# KiCad board paws-60-pcb.kicad_pcb
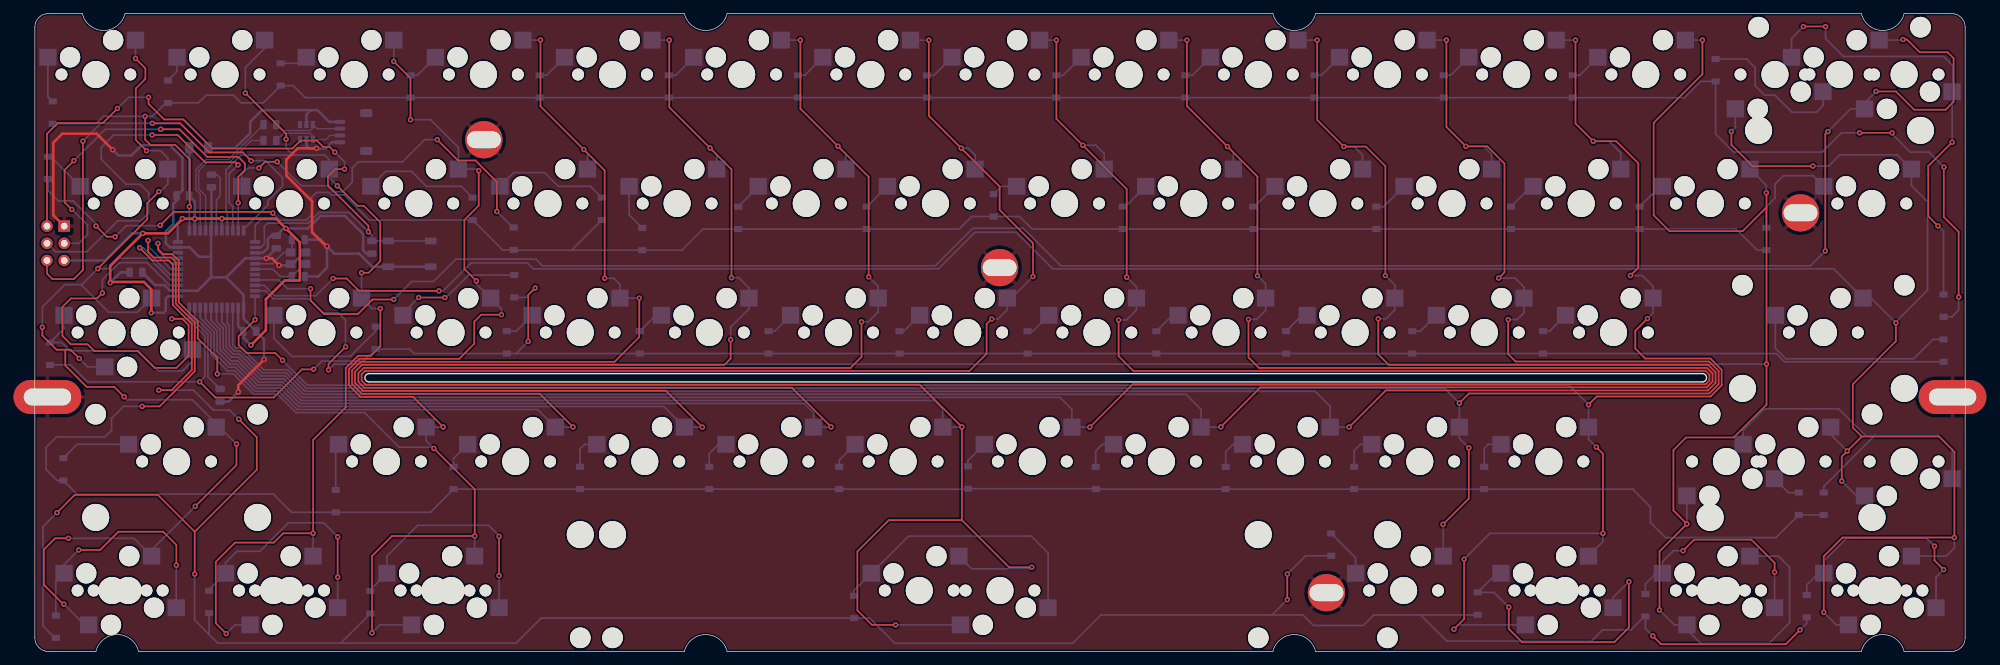
[diagram p0: board, top side]
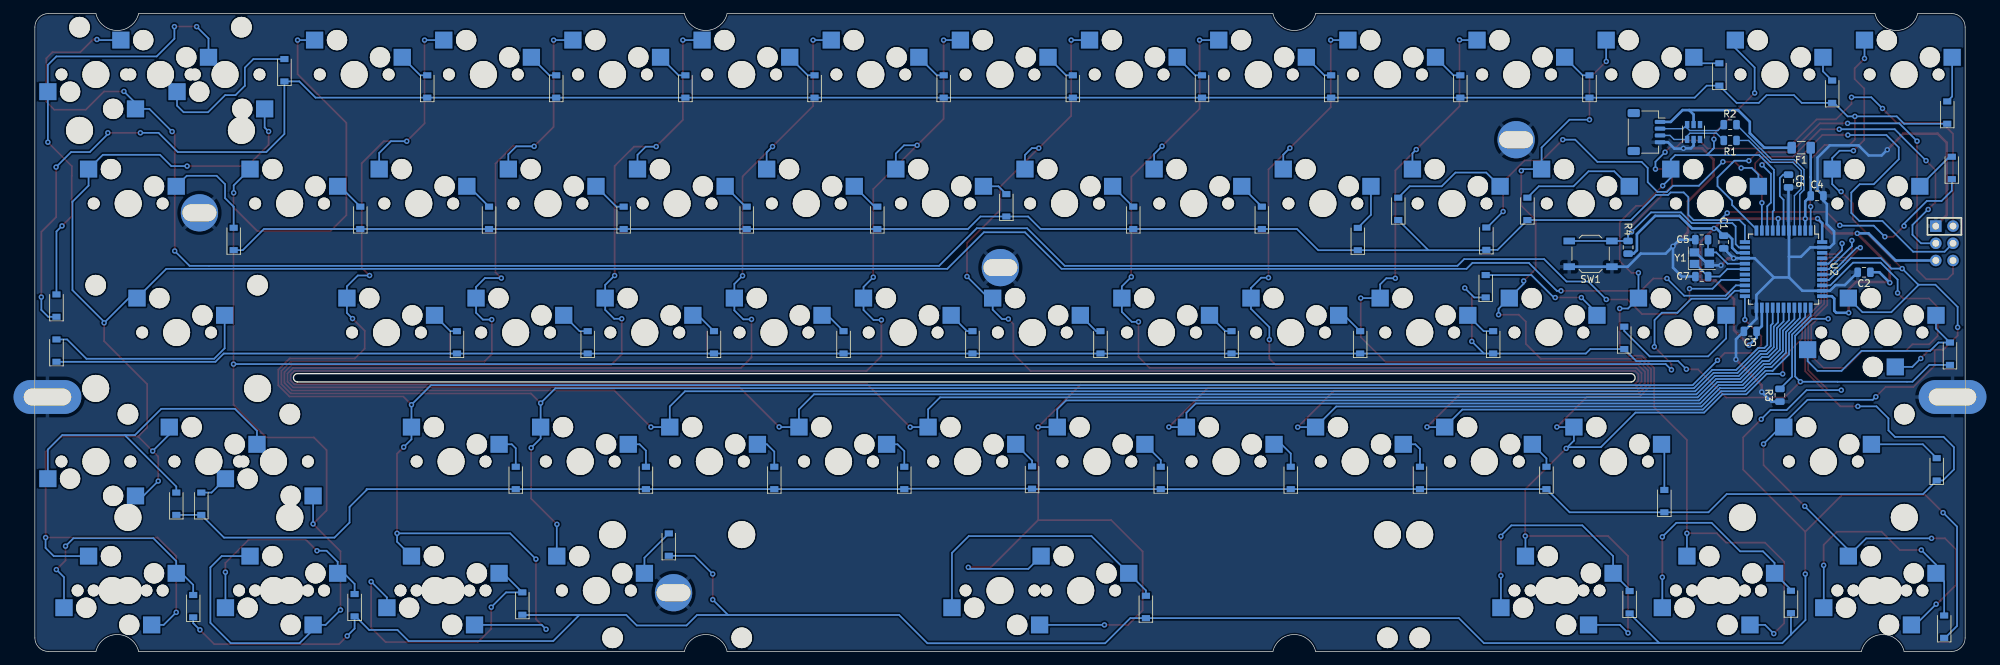
[diagram p1: board, bottom side, seen from below]

Outline 284.7 x 94.2 mm; copper layers: Top, Bottom. Coordinates in mm from the lower left corner of the outline.
Outline path: 0,92.2 arc(0.59,93.61) 2,94.2 7,94.2 arc(10.15,91.7) 13.3,94.2 95.8,94.2 arc(98.95,91.7) 102.1,94.2 182.6,94.2 arc(185.75,91.7) 188.9,94.2 269.4,94.2 arc(272.55,91.7) 275.7,94.2 282.7,94.2 arc(284.11,93.61) 284.7,92.2 284.7,2 arc(284.11,0.59) 282.7,0 275.7,0 arc(272.55,2.5) 269.4,0 188.9,0 arc(185.75,2.5) 182.6,0 102.1,0 arc(98.95,2.5) 95.8,0 15.3,0 arc(12.15,2.5) 9,0 2,0 arc(0.59,0.59) 0,2 0,92.2 ; 49.26,39.8 arc(48.68,40.42) 49.26,41.03 245.9,41.03 arc(246.56,40.44) 245.95,39.8 49.26,39.8

## Placement (name value [footprint] x y rotation side)
C1  0.1u  [C_0805_2012Metric]  35.61 60.46 270 bottom
C2  0.1u  [C_0805_2012Metric]  14.91 55.99 0 bottom
C3  0.1u  [C_0805_2012Metric]  31.7 47.27 0 bottom
C4  10u  [C_0805_2012Metric]  21.83 67.27 180 bottom
C5  22p  [C_0805_2012Metric]  38.86 60.8 180 bottom
C6  1u  [C_0805_2012Metric]  26.05 69.47 270 bottom
C7  22p  [C_0805_2012Metric]  38.84 55.37 180 bottom
D1  1N4148  [D_SOD-123]  2.64 79.57 90 bottom
D2  1N4148  [D_SOD-123]  19.61 82.66 90 bottom
D3  1N4148  [D_SOD-123]  36.25 85.21 90 bottom
D4  1N4148  [D_SOD-123]  55.4 83.43 90 bottom
D5  1N4148  [D_SOD-123]  74.45 83.43 90 bottom
D6  1N4148  [D_SOD-123]  93.5 83.43 90 bottom
D7  1N4148  [D_SOD-123]  112.55 83.43 90 bottom
D8  1N4148  [D_SOD-123]  131.6 83.43 90 bottom
D9  1N4148  [D_SOD-123]  150.65 83.43 90 bottom
D10  1N4148  [D_SOD-123]  169.7 83.43 90 bottom
D11  1N4148  [D_SOD-123]  188.75 83.43 90 bottom
D12  1N4148  [D_SOD-123]  207.8 83.43 90 bottom
D13  1N4148  [D_SOD-123]  226.83 83.43 90 bottom
D14  1N4148  [D_SOD-123]  247.9 85.83 90 bottom
D15  1N4148  [D_SOD-123]  281.52 51.07 90 bottom
D16  1N4148  [D_SOD-123]  1.97 71.4 90 bottom
D17  1N4148  [D_SOD-123]  70.61 60.96 90 bottom
D18  1N4148  [D_SOD-123]  64.56 65.36 90 bottom
D19  1N4148  [D_SOD-123]  83.61 65.36 90 bottom
D20  1N4148  [D_SOD-123]  89.57 60.9 90 bottom
D21  1N4148  [D_SOD-123]  103.73 64.03 90 bottom
D22  1N4148  [D_SOD-123]  122.7 64.03 90 bottom
D23  1N4148  [D_SOD-123]  141.42 65.88 90 bottom
D24  1N4148  [D_SOD-123]  160.45 64.03 90 bottom
D25  1N4148  [D_SOD-123]  179.71 64.03 90 bottom
D26  1N4148  [D_SOD-123]  197.86 64.03 90 bottom
D27  1N4148  [D_SOD-123]  217.71 64.03 90 bottom
D28  1N4148  [D_SOD-123]  236.7 64.03 90 bottom
D29  1N4148  [D_SOD-123]  255.38 60.91 90 bottom
D30  1N4148  [D_SOD-123]  2.24 43.97 90 bottom
D31  1N4148  [D_SOD-123]  50.27 46.31 90 bottom
D32  1N4148  [D_SOD-123]  70.71 53.93 90 bottom
D33  1N4148  [D_SOD-123]  69.61 45.65 90 bottom
D34  1N4148  [D_SOD-123]  89.23 45.65 90 bottom
D35  1N4148  [D_SOD-123]  108.2 45.65 90 bottom
D36  1N4148  [D_SOD-123]  127.53 45.65 90 bottom
D37  1N4148  [D_SOD-123]  146.41 45.65 90 bottom
D38  1N4148  [D_SOD-123]  165.42 45.65 90 bottom
D39  1N4148  [D_SOD-123]  184.54 45.65 90 bottom
D40  1N4148  [D_SOD-123]  203.16 45.65 90 bottom
D41  1N4148  [D_SOD-123]  222.44 45.65 90 bottom
D42  1N4148  [D_SOD-123]  281.52 44.42 90 bottom
D43  1N4148  [D_SOD-123]  4.19 26.89 90 bottom
D44  1N4148  [D_SOD-123]  44.36 22.2 90 bottom
D45  1N4148  [D_SOD-123]  61.75 25.62 90 bottom
D46  1N4148  [D_SOD-123]  80.41 25.62 90 bottom
D47  1N4148  [D_SOD-123]  99.46 25.62 90 bottom
D48  1N4148  [D_SOD-123]  118.64 25.62 90 bottom
D49  1N4148  [D_SOD-123]  137.62 25.69 90 bottom
D50  1N4148  [D_SOD-123]  156.47 25.62 90 bottom
D51  1N4148  [D_SOD-123]  175.64 25.62 90 bottom
D52  1N4148  [D_SOD-123]  194.57 25.62 90 bottom
D53  1N4148  [D_SOD-123]  213.77 25.62 90 bottom
D54  1N4148  [D_SOD-123]  260.15 21.81 90 bottom
D55  1N4148  [D_SOD-123]  263.84 21.81 90 bottom
D56  1N4148  [D_SOD-123]  3.09 3.66 90 bottom
D57  1N4148  [D_SOD-123]  25.69 7.31 90 bottom
D58  1N4148  [D_SOD-123]  49.49 7.27 90 bottom
D59  1N4148  [D_SOD-123]  120.83 6.57 90 bottom
D60  1N4148  [D_SOD-123]  191.2 15.78 90 bottom
D61  1N4148  [D_SOD-123]  212.8 7.07 90 bottom
D62  1N4148  [D_SOD-123]  237.54 6.83 90 bottom
D63  1N4148  [D_SOD-123]  261.35 6.69 90 bottom
F1  500mA  [Fuse_1206_3216Metric]  24.18 74.39 0 bottom
J1  JST SH 4-pin  [JST_SH_SM04B-SRSS-TB_1x04-1MP_P1.00mm_Horizontal]  47 76.7 270 bottom
J2  AVR-ISP-6  [Reset_Pretty]  3.05 60.27 0 bottom
MX1  1u  [MXOnly-1U-Hotswap]  9 85.2 0 top
MX2  1u  [MXOnly-1U-Hotswap]  28.05 85.2 0 top
MX3  1u  [MXOnly-1U-Hotswap]  47.1 85.2 0 top
MX4  1u  [MXOnly-1U-Hotswap]  66.15 85.2 0 top
MX5  1u  [MXOnly-1U-Hotswap]  85.2 85.2 0 top
MX6  1u  [MXOnly-1U-Hotswap]  104.25 85.2 0 top
MX7  1u  [MXOnly-1U-Hotswap]  123.3 85.2 0 top
MX8  1u  [MXOnly-1U-Hotswap]  142.35 85.2 0 top
MX9  1u  [MXOnly-1U-Hotswap]  161.4 85.2 0 top
MX10  1u  [MXOnly-1U-Hotswap]  180.45 85.2 0 top
MX11  1u  [MXOnly-1U-Hotswap]  199.5 85.2 0 top
MX12  1u  [MXOnly-1U-Hotswap]  218.55 85.2 0 top
MX13  1u  [MXOnly-1U-Hotswap]  237.6 85.2 0 top
MX14  1u  [MXOnly-1U-Hotswap]  256.65 85.2 180 top
MX15  1u  [MXOnly-1U-Hotswap]  275.7 85.2 180 top
MX16  2u  [MXOnly-2U-Hotswap]  266.18 85.2 0 top
MX17  1.5u  [MXOnly-1.5U-Hotswap]  13.76 66.15 0 top
MX18  1u  [MXOnly-1U-Hotswap]  37.58 66.15 0 top
MX19  1u  [MXOnly-1U-Hotswap]  56.62 66.15 0 top
MX20  1u  [MXOnly-1U-Hotswap]  75.67 66.15 0 top
MX21  1u  [MXOnly-1U-Hotswap]  94.72 66.15 0 top
MX22  1u  [MXOnly-1U-Hotswap]  113.78 66.15 0 top
MX23  1u  [MXOnly-1U-Hotswap]  132.82 66.15 0 top
MX24  1u  [MXOnly-1U-Hotswap]  151.88 66.15 0 top
MX25  1u  [MXOnly-1U-Hotswap]  170.93 66.15 0 top
MX26  1u  [MXOnly-1U-Hotswap]  189.97 66.15 0 top
MX27  1u  [MXOnly-1U-Hotswap]  209.03 66.15 0 top
MX28  1u  [MXOnly-1U-Hotswap]  228.07 66.15 0 top
MX29  1u  [MXOnly-1U-Hotswap]  247.12 66.15 0 top
MX30  1.5u  [MXOnly-1.5U-Hotswap]  270.94 66.15 0 top
MX31  1.25u  [MXOnly-1.25U-Hotswap]  11.38 47.1 0 top
MX32  1.75u  [MXOnly-1.75U-Hotswap]  16.14 47.1 180 top
MX33  1u  [MXOnly-1U-Hotswap]  42.34 47.1 0 top
MX34  1u  [MXOnly-1U-Hotswap]  61.39 47.1 0 top
MX35  1u  [MXOnly-1U-Hotswap]  80.44 47.1 0 top
MX36  1u  [MXOnly-1U-Hotswap]  99.49 47.1 0 top
MX37  1u  [MXOnly-1U-Hotswap]  118.54 47.1 0 top
MX38  1u  [MXOnly-1U-Hotswap]  137.59 47.1 0 top
MX39  1u  [MXOnly-1U-Hotswap]  156.64 47.1 0 top
MX40  1u  [MXOnly-1U-Hotswap]  175.69 47.1 0 top
MX41  1u  [MXOnly-1U-Hotswap]  194.74 47.1 0 top
MX42  1u  [MXOnly-1U-Hotswap]  213.79 47.1 0 top
MX43  1u  [MXOnly-1U-Hotswap]  232.84 47.1 0 top
MX44  2.25u  [MXOnly-2.25U-Hotswap]  263.79 47.1 0 top
MX45  2.25u  [MXOnly-2.25U-Hotswap]  20.91 28.05 0 top
MX46  1u  [MXOnly-1U-Hotswap]  51.86 28.05 0 top
MX47  1u  [MXOnly-1U-Hotswap]  70.91 28.05 0 top
MX48  1u  [MXOnly-1U-Hotswap]  89.96 28.05 0 top
MX49  1u  [MXOnly-1U-Hotswap]  109.01 28.05 0 top
MX50  1u  [MXOnly-1U-Hotswap]  128.06 28.05 0 top
MX51  1u  [MXOnly-1U-Hotswap]  147.11 28.05 0 top
MX52  1u  [MXOnly-1U-Hotswap]  166.16 28.05 0 top
MX53  1u  [MXOnly-1U-Hotswap]  185.21 28.05 0 top
MX54  1u  [MXOnly-1U-Hotswap]  204.26 28.05 0 top
MX55  1u  [MXOnly-1U-Hotswap]  223.31 28.05 0 top
MX56  1.75u  [MXOnly-1.75U-Hotswap]  249.51 28.05 180 top
MX57  1u  [MXOnly-1U-Hotswap]  275.7 28.05 180 top
MX58  2.75u  [MXOnly-2.75U-Hotswap]  259.03 28.05 0 top
MX59  1.25u  [MXOnly-1.25U-Hotswap]  11.38 9 0 top
MX60  1.25u  [MXOnly-1.25U-Hotswap]  35.19 9 0 top
MX61  1.25u  [MXOnly-1.25U-Hotswap]  59.01 9 0 top
MX62  6.25u  [MXOnly-6.25U-Hotswap-ReversedStabilizers]  130.44 9 0 top
MX63  1.25u  [MXOnly-1.25U-Hotswap]  201.88 9 0 top
MX64  1.25u  [MXOnly-1.25U-Hotswap]  225.69 9 180 top
MX65  1.25u  [MXOnly-1.25U-Hotswap]  249.51 9 180 top
MX66  1.25u  [MXOnly-1.25U-Hotswap]  273.32 9 180 top
MX67  1.5u  [MXOnly-1.5U-Hotswap]  13.76 9 180 top
MX68  1u  [MXOnly-1U-Hotswap]  37.58 9 180 top
MX69  1.5u  [MXOnly-1.5U-Hotswap]  61.39 9 180 top
MX70  7u  [MXOnly-7U-Hotswap]  142.35 9 180 top
MX71  1.5u  [MXOnly-1.5U-Hotswap]  223.31 9 0 top
MX72  1u  [MXOnly-1U-Hotswap]  247.12 9 0 top
MX73  1.5u  [MXOnly-1.5U-Hotswap]  270.94 9 0 top
R1  22  [R_0805_2012Metric]  34.66 75.45 0 bottom
R2  22  [R_0805_2012Metric]  34.66 77.79 0 bottom
R3  10k  [R_0805_2012Metric]  27.32 37.83 90 bottom
R4  10k  [R_0805_2012Metric]  49.71 59.68 270 bottom
S1  Screw_Left  [10x5_7x2.5mm]  1.86 37.58 0 top
S2  Screw_Right  [10x5_7x2.5mm]  282.84 37.58 0 top
S3  Screw_Plate  [5.5_5x2.5mm]  260.43 64.77 0 top
S4  Screw_Plate  [5.5_5x2.5mm]  190.5 8.67 0 top
S5  Screw_Plate  [5.5_5x2.5mm]  142.29 56.68 0 top
S6  Screw_Plate  [5.5_5x2.5mm]  66.22 75.57 0 top
SW1  Reset  [SW_SPST_TL3342]  55.24 58.72 0 bottom
U1  SRV05-4  [SOT-23-6]  40.05 76.71 90 bottom
U2  ATmega32U4-AU  [TQFP-44_10x10mm_P0.8mm]  26.78 56.46 270 bottom
Y1  16MHz  [Crystal_SMD_3225-4Pin_3.2x2.5mm]  38.83 58.08 180 bottom

## Library data of the parts
C1-C3 = -: LCSC Part #: C49678
C4 = -: LCSC Part #: C15850
C5 C7 = -: LCSC Part #: C1804
C6 = -: LCSC Part #: C28323
D1-D63 = -: LCSC Part #: C81598
F1 = -: LCSC Part #: C70076
J1 = -: LCSC Part #: C160404
J2 = -: Field4: SCK; Field5: VCC; Field6: RST; Field7: GND; Field8: MISO; Field9: MOSI
R1 R2 = -: LCSC Part #: C17561
R3 R4 = -: LCSC Part #: C17414
SW1 = -: LCSC Part #: C318884
U1 = -: LCSC Part #: C85364
U2 = -: LCSC Part #: C44854
Y1 = -: LCSC Part #: C13738

## Footprints (pads in the part's own frame, mm; a bottom-side part is the same pattern mirrored in y, then rotated)
5.5_5x2.5mm
  round 5.5 hole 5x2.5: 1(0,0)
10x5_7x2.5mm
  oval 10x5 hole 7x2.5: 1(0,0)
C_0805_2012Metric
  rrect 0.975x1.4 smd: 1(-0.938,0) 2(0.938,0)
Crystal_SMD_3225-4Pin_3.2x2.5mm
  rect 1.4x1.2 smd: 1(-1.1,-0.85) 2(1.1,-0.85) 3(1.1,0.85) 4(-1.1,0.85)
D_SOD-123
  rect 0.9x1.2 smd: 1(-1.65,0) 2(1.65,0)
Fuse_1206_3216Metric
  rrect 1.25x1.75 smd: 1(-1.4,0) 2(1.4,0)
JST_SH_SM04B-SRSS-TB_1x04-1MP_P1.00mm_Horizontal
  rrect 0.6x1.55 smd: 1(-1.5,2) 2(-0.5,2) 3(0.5,2) 4(1.5,2)
  rrect 1.2x1.8 smd: MP(-2.8,-1.875) MP(2.8,-1.875)
MXOnly-1.5U-Hotswap
  round 1.75 hole 1.75 unplated: (-5.08,0) (5.08,0)
  round 3 hole 3 unplated: (-3.81,2.54) (2.54,5.08)
  round 3.988 hole 3.988 unplated: (0,0)
  rect 2.55x2.5 smd far side: 1(-7.085,2.54) 2(5.842,5.08)
MXOnly-1.25U-Hotswap
  round 1.75 hole 1.75 unplated: (-5.08,0) (5.08,0)
  round 3 hole 3 unplated: (-3.81,2.54) (2.54,5.08)
  round 3.988 hole 3.988 unplated: (0,0)
  rect 2.55x2.5 smd far side: 1(-7.085,2.54) 2(5.842,5.08)
MXOnly-1.75U-Hotswap
  round 1.75 hole 1.75 unplated: (-5.08,0) (5.08,0)
  round 3 hole 3 unplated: (-3.81,2.54) (2.54,5.08)
  round 3.988 hole 3.988 unplated: (0,0)
  rect 2.55x2.5 smd far side: 1(-7.085,2.54) 2(5.842,5.08)
MXOnly-1U-Hotswap
  round 1.75 hole 1.75 unplated: (-5.08,0) (5.08,0)
  round 3 hole 3 unplated: (-3.81,2.54) (2.54,5.08)
  round 3.988 hole 3.988 unplated: (0,0)
  rect 2.55x2.5 smd far side: 1(-7.085,2.54) 2(5.842,5.08)
MXOnly-2.25U-Hotswap
  round 3.048 hole 3.048 unplated: (-11.938,6.985) (11.938,6.985)
  round 3.988 hole 3.988 unplated: (-11.938,-8.255) (0,0) (11.938,-8.255)
  round 1.75 hole 1.75 unplated: (-5.08,0) (5.08,0)
  round 3 hole 3 unplated: (-3.81,2.54) (2.54,5.08)
  rect 2.55x2.5 smd far side: 1(-7.085,2.54) 2(5.842,5.08)
MXOnly-2.75U-Hotswap
  round 3.048 hole 3.048 unplated: (-11.938,6.985) (11.938,6.985)
  round 3.988 hole 3.988 unplated: (-11.938,-8.255) (0,0) (11.938,-8.255)
  round 1.75 hole 1.75 unplated: (-5.08,0) (5.08,0)
  round 3 hole 3 unplated: (-3.81,2.54) (2.54,5.08)
  rect 2.55x2.5 smd far side: 1(-7.085,2.54) 2(5.842,5.08)
MXOnly-2U-Hotswap
  round 3.048 hole 3.048 unplated: (-11.938,6.985) (11.938,6.985)
  round 3.988 hole 3.988 unplated: (-11.938,-8.255) (0,0) (11.938,-8.255)
  round 1.75 hole 1.75 unplated: (-5.08,0) (5.08,0)
  round 3 hole 3 unplated: (-3.81,2.54) (2.54,5.08)
  rect 2.55x2.5 smd far side: 1(-7.085,2.54) 2(5.842,5.08)
MXOnly-6.25U-Hotswap-ReversedStabilizers
  round 3.988 hole 3.988 unplated: (-50,8.255) (0,0) (50,8.255)
  round 3.048 hole 3.048 unplated: (-50,-6.985) (50,-6.985)
  round 1.75 hole 1.75 unplated: (-5.08,0) (5.08,0)
  round 3 hole 3 unplated: (-3.81,2.54) (2.54,5.08)
  rect 2.55x2.5 smd far side: 1(-7.085,2.54) 2(5.842,5.08)
MXOnly-7U-Hotswap
  round 3.048 hole 3.048 unplated: (-57.15,6.985) (57.15,6.985)
  round 3.988 hole 3.988 unplated: (-57.15,-8.255) (0,0) (57.15,-8.255)
  round 1.75 hole 1.75 unplated: (-5.08,0) (5.08,0)
  round 3 hole 3 unplated: (-3.81,2.54) (2.54,5.08)
  rect 2.55x2.5 smd far side: 1(-7.085,2.54) 2(5.842,5.08)
R_0805_2012Metric
  rrect 0.975x1.4 smd: 1(-0.938,0) 2(0.938,0)
Reset_Pretty
  round 1.7 hole 1: 1(-1.27,2.54) 2(1.27,2.54) 3(-1.27,0) 4(1.27,0) 5(-1.27,-2.54)
  rect 1.7x1.7 hole 1: 6(1.27,-2.54)
SOT-23-6
  rect 1.06x0.65 smd: 1(-1.1,0.95) 2(-1.1,0) 3(-1.1,-0.95) 4(1.1,-0.95) 5(1.1,0) 6(1.1,0.95)
SW_SPST_TL3342
  rect 1.7x1 smd: 1(-3.15,1.9) 1(3.15,1.9) 2(-3.15,-1.9) 2(3.15,-1.9)
TQFP-44_10x10mm_P0.8mm
  rect 1.5x0.55 smd: 1(-5.7,4) 2(-5.7,3.2) 3(-5.7,2.4) 4(-5.7,1.6) 5(-5.7,0.8) 6(-5.7,0) 7(-5.7,-0.8) 8(-5.7,-1.6) 9(-5.7,-2.4) 10(-5.7,-3.2) 11(-5.7,-4) 23(5.7,-4) 24(5.7,-3.2) 25(5.7,-2.4) 26(5.7,-1.6) 27(5.7,-0.8) 28(5.7,0) 29(5.7,0.8) 30(5.7,1.6) 31(5.7,2.4) 32(5.7,3.2) 33(5.7,4)
  rect 0.55x1.5 smd: 12(-4,-5.7) 13(-3.2,-5.7) 14(-2.4,-5.7) 15(-1.6,-5.7) 16(-0.8,-5.7) 17(0,-5.7) 18(0.8,-5.7) 19(1.6,-5.7) 20(2.4,-5.7) 21(3.2,-5.7) 22(4,-5.7) 34(4,5.7) 35(3.2,5.7) 36(2.4,5.7) 37(1.6,5.7) 38(0.8,5.7) 39(0,5.7) 40(-0.8,5.7) 41(-1.6,5.7) 42(-2.4,5.7) 43(-3.2,5.7) 44(-4,5.7)

## Nets
+5V: C1.1 C2.1 C3.1 C4.1 F1.1 J2.2 R4.2 U2.2 U2.7 U2.14 U2.24 U2.34 U2.44
GND: C1.2 C2.2 C3.2 C4.2 C5.1 C6.2 C7.1 J1.4 J2.6 R3.1 S1.1 S2.1 S3.1 S4.1 S5.1 S6.1 SW1.1 U1.2 U2.5 U2.15 U2.23 U2.35 U2.43 Y1.2 Y1.4
VBUS: F1.2 J1.1 U1.5
/MCU_D+: R1.1 U2.4
/MCU_D-: R2.1 U2.3
COL0: MX1.2 MX17.2 MX31.2 MX32.2 MX45.2 MX59.2 MX67.2 U2.37
COL1: MX2.2 MX18.2 MX33.2 MX60.2 MX68.2 U2.8
COL2: MX3.2 MX19.2 MX34.2 MX46.2 MX61.2 MX69.2 U2.40
COL3: MX4.2 MX20.2 MX35.2 MX47.2 U2.32
COL4: MX5.2 MX21.2 MX36.2 MX48.2 U2.31
COL5: MX6.2 MX22.2 MX37.2 MX49.2 U2.30
COL6: MX7.2 MX23.2 MX38.2 MX50.2 MX62.2 MX70.2 U2.29
COL7: MX8.2 MX24.2 MX39.2 MX51.2 U2.28
COL8: MX9.2 MX25.2 MX40.2 MX52.2 U2.27
COL9: MX10.2 MX26.2 MX41.2 MX53.2 U2.26
COL10: MX11.2 MX27.2 MX42.2 MX54.2 MX63.2 U2.25
COL11: MX12.2 MX28.2 MX43.2 MX55.2 MX64.2 MX71.2 U2.22
COL12: MX13.2 MX29.2 MX56.2 MX65.2 MX72.2 U2.21
COL13: MX14.2 MX30.2 MX44.2 MX57.2 MX58.2 MX66.2 MX73.2 U2.20
COL14: MX15.2 MX16.2 U2.19
D+: J1.3 R1.2 U1.1
D-: J1.2 R2.2 U1.6
MISO: J2.1 U2.11
MOSI: J2.4 U2.10
ROW0: D1.1 D2.1 D3.1 D4.1 D5.1 D6.1 D7.1 D8.1 D9.1 D10.1 D11.1 D12.1 D13.1 D14.1 D15.1 U2.1
ROW1: D16.1 D17.1 D18.1 D19.1 D20.1 D21.1 D22.1 D23.1 D24.1 D25.1 D26.1 D27.1 D28.1 D29.1 U2.12
ROW2: D30.1 D31.1 D32.1 D33.1 D34.1 D35.1 D36.1 D37.1 D38.1 D39.1 D40.1 D41.1 D42.1 U2.36
ROW3: D43.1 D44.1 D45.1 D46.1 D47.1 D48.1 D49.1 D50.1 D51.1 D52.1 D53.1 D54.1 D55.1 U2.39
ROW4: D56.1 D57.1 D58.1 D59.1 D60.1 D61.1 D62.1 D63.1 U2.38
RST: J2.5 R4.1 SW1.2 U2.13
SCK: J2.3 U2.9
XTAL1: C7.2 U2.17 Y1.1
XTAL2: C5.2 U2.16 Y1.3
Net-(C6-Pad1): C6.1 U2.6
Net-(D1-Pad2): D1.2 MX1.1
Net-(D2-Pad2): D2.2 MX2.1
Net-(D3-Pad2): D3.2 MX3.1
Net-(D4-Pad2): D4.2 MX4.1
Net-(D5-Pad2): D5.2 MX5.1
Net-(D6-Pad2): D6.2 MX6.1
Net-(D7-Pad2): D7.2 MX7.1
Net-(D8-Pad2): D8.2 MX8.1
Net-(D9-Pad2): D9.2 MX9.1
Net-(D10-Pad2): D10.2 MX10.1
Net-(D11-Pad2): D11.2 MX11.1
Net-(D12-Pad2): D12.2 MX12.1
Net-(D13-Pad2): D13.2 MX13.1
Net-(D14-Pad2): D14.2 MX14.1
Net-(D15-Pad2): D15.2 MX15.1 MX16.1
Net-(D16-Pad2): D16.2 MX17.1
Net-(D17-Pad2): D17.2 MX18.1
Net-(D18-Pad2): D18.2 MX19.1
Net-(D19-Pad2): D19.2 MX20.1
Net-(D20-Pad2): D20.2 MX21.1
Net-(D21-Pad2): D21.2 MX22.1
Net-(D22-Pad2): D22.2 MX23.1
Net-(D23-Pad2): D23.2 MX24.1
Net-(D24-Pad2): D24.2 MX25.1
Net-(D25-Pad2): D25.2 MX26.1
Net-(D26-Pad2): D26.2 MX27.1
Net-(D27-Pad2): D27.2 MX28.1
Net-(D28-Pad2): D28.2 MX29.1
Net-(D29-Pad2): D29.2 MX30.1
Net-(D30-Pad2): D30.2 MX31.1 MX32.1
Net-(D31-Pad2): D31.2 MX33.1
Net-(D32-Pad2): D32.2 MX34.1
Net-(D33-Pad2): D33.2 MX35.1
Net-(D34-Pad2): D34.2 MX36.1
Net-(D35-Pad2): D35.2 MX37.1
Net-(D36-Pad2): D36.2 MX38.1
Net-(D37-Pad2): D37.2 MX39.1
Net-(D38-Pad2): D38.2 MX40.1
Net-(D39-Pad2): D39.2 MX41.1
Net-(D40-Pad2): D40.2 MX42.1
Net-(D41-Pad2): D41.2 MX43.1
Net-(D42-Pad2): D42.2 MX44.1
Net-(D43-Pad2): D43.2 MX45.1
Net-(D44-Pad2): D44.2 MX46.1
Net-(D45-Pad2): D45.2 MX47.1
Net-(D46-Pad2): D46.2 MX48.1
Net-(D47-Pad2): D47.2 MX49.1
Net-(D48-Pad2): D48.2 MX50.1
Net-(D49-Pad2): D49.2 MX51.1
Net-(D50-Pad2): D50.2 MX52.1
Net-(D51-Pad2): D51.2 MX53.1
Net-(D52-Pad2): D52.2 MX54.1
Net-(D53-Pad2): D53.2 MX55.1
Net-(D54-Pad2): D54.2 MX56.1
Net-(D55-Pad2): D55.2 MX57.1 MX58.1
Net-(D56-Pad2): D56.2 MX59.1 MX67.1
Net-(D57-Pad2): D57.2 MX60.1 MX68.1
Net-(D58-Pad2): D58.2 MX61.1 MX69.1
Net-(D59-Pad2): D59.2 MX62.1 MX70.1
Net-(D60-Pad2): D60.2 MX63.1
Net-(D61-Pad2): D61.2 MX64.1 MX71.1
Net-(D62-Pad2): D62.2 MX65.1 MX72.1
Net-(D63-Pad2): D63.2 MX66.1 MX73.1
Net-(R3-Pad2): R3.2 U2.33

Pads without a net: J1 MP; U1 3 4; U2 18 41 42

## Via types
v1: diameter 0.8, hole 0.4, Top to Bottom, 184 vias
